# Altium PCB DCAR_Motors_Relays.PcbDoc (part 2 of 4)
Units mm, origin at the board's own origin, x right, y up, seen from the top; angles counter-clockwise.
Board outline 250 x 200 mm, 2 copper layers (Top Layer, Bottom Layer), stack 1.58 mm thick; 518 components, 309 nets, 1482 pads, 776 vias.
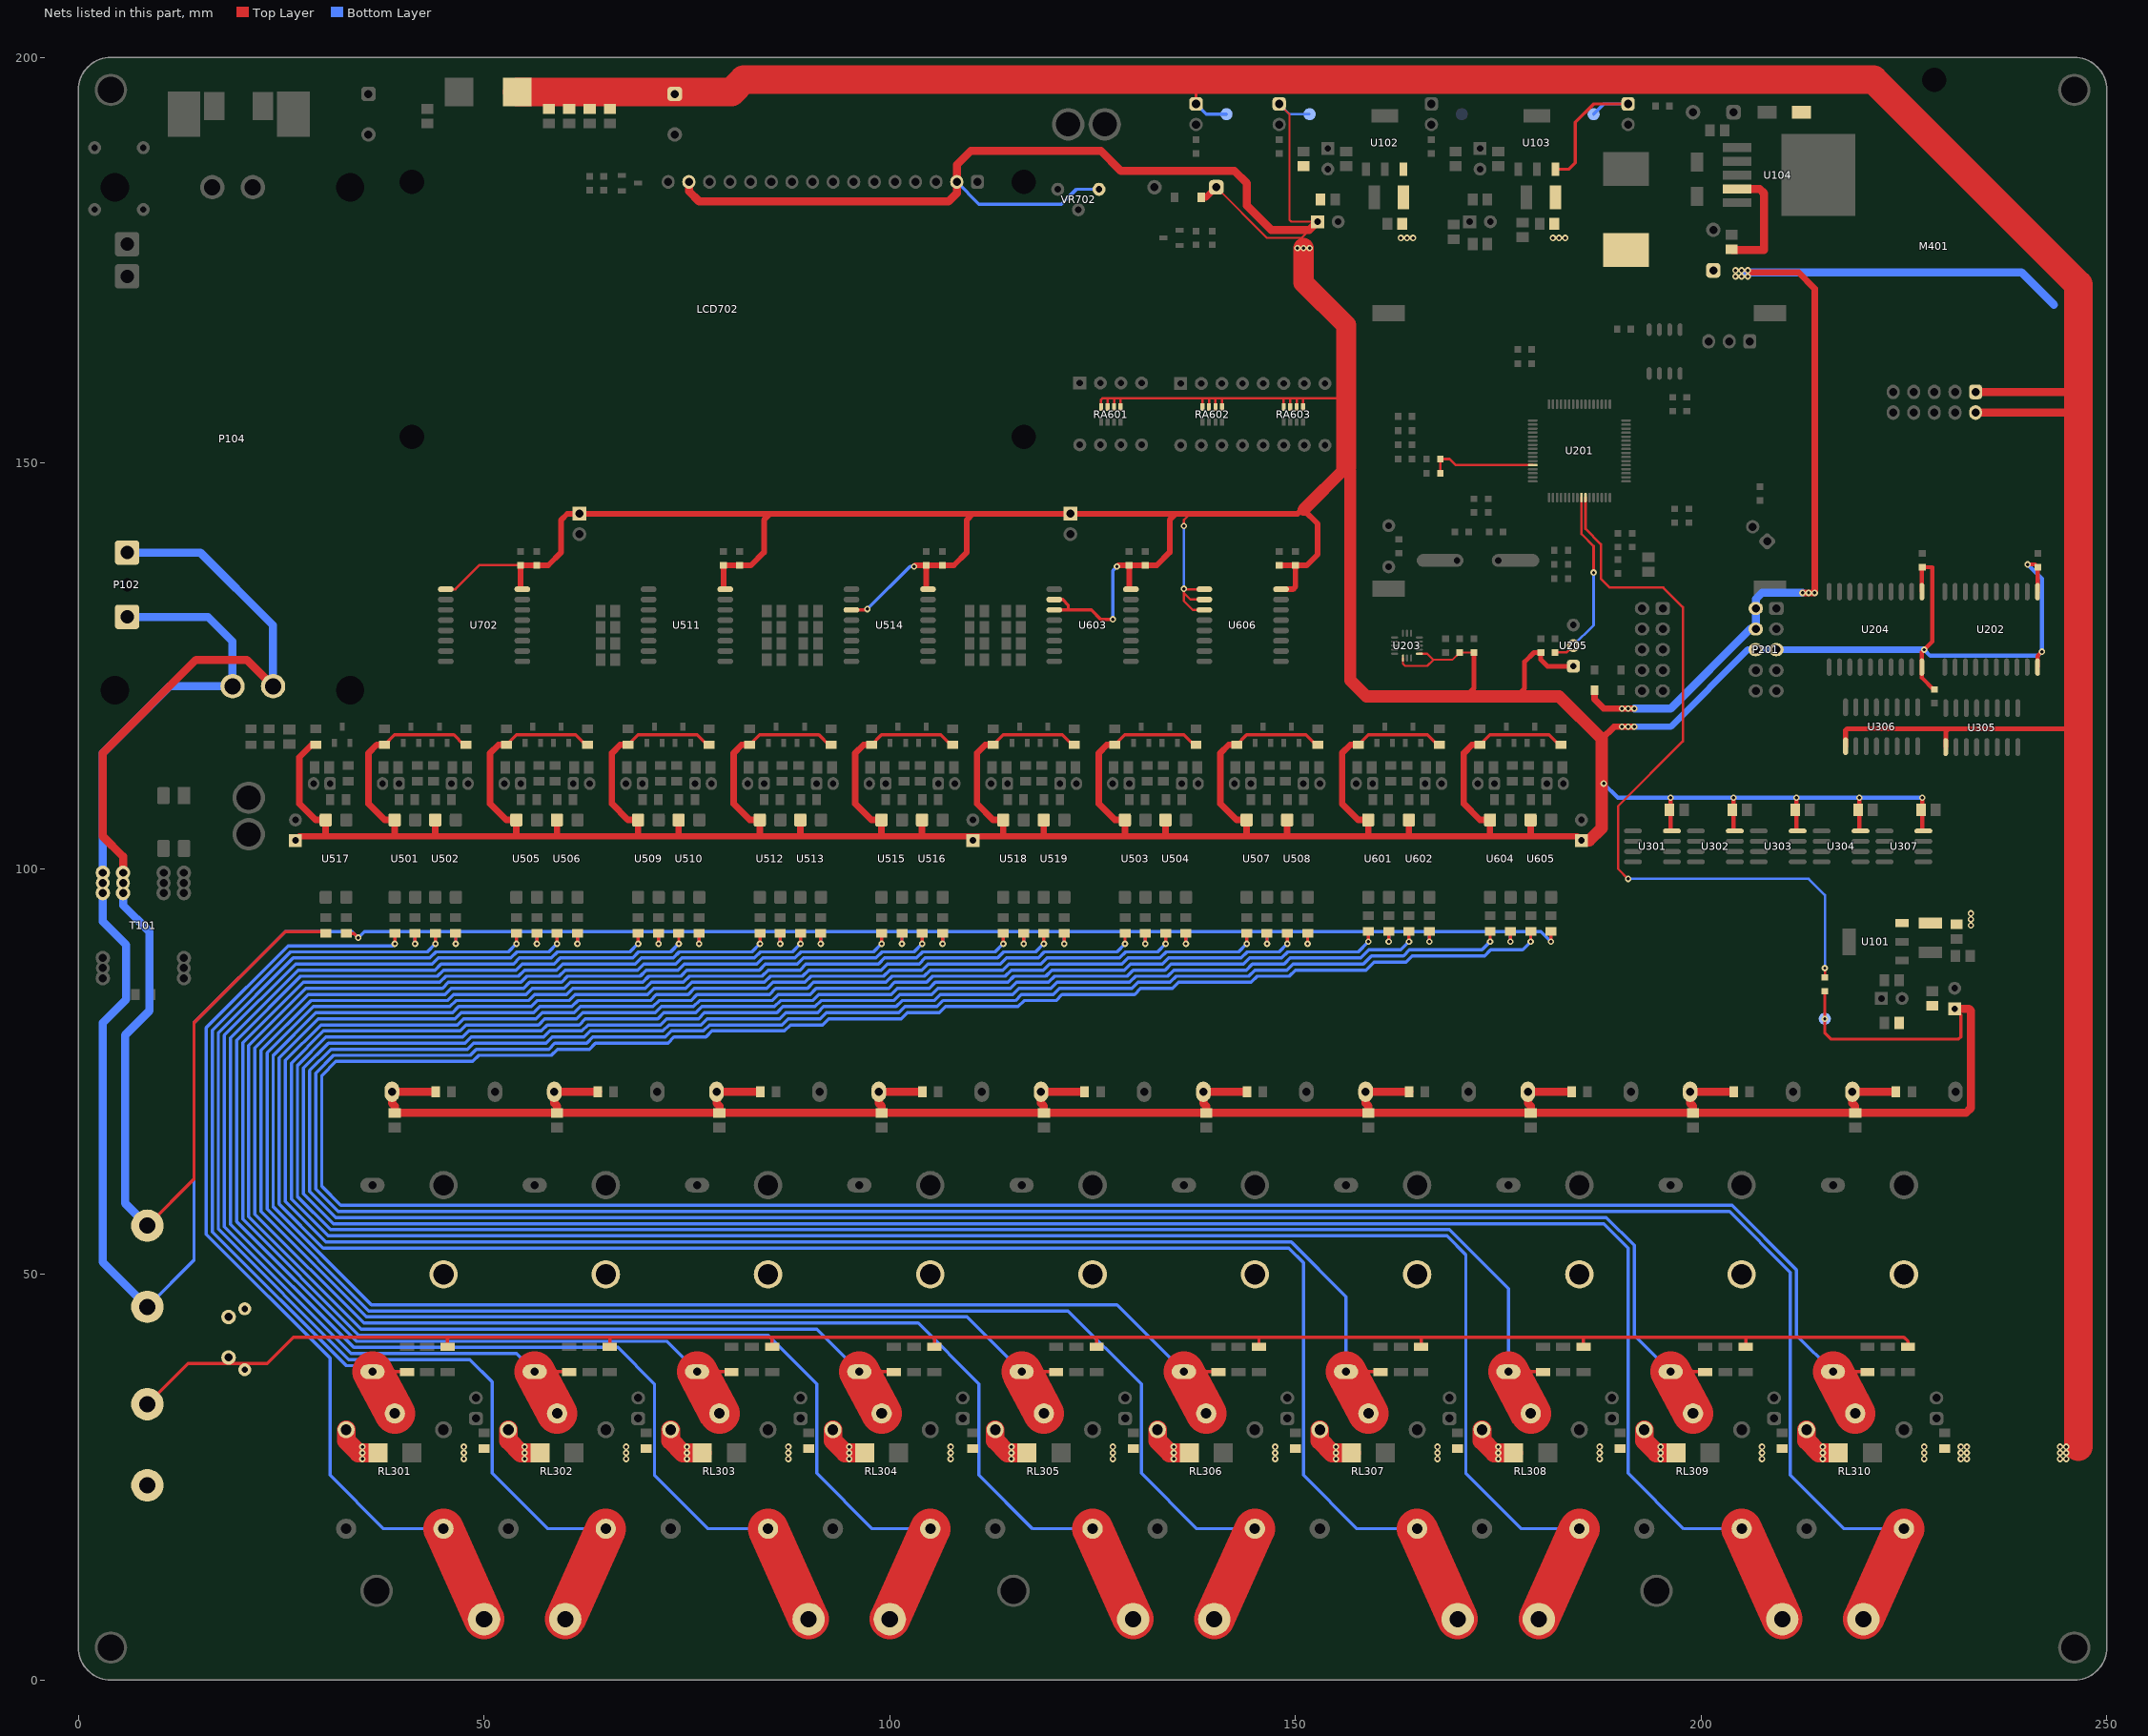
[diagram p2: the nets of this part, all layers, seen from the top]

## Part data
C101 C106 C107 C301 C302 C303 C304 C305 C306 C307 C308 C309 C310: library part "Capacitor NP", "Capacitor non-pol"
C102 C109 C111 C113 C115 C116 C119 C121 C122 C123 C201 C202 C203 C204 C205 C206 C209 C210 C211 C212 C215 C216 C217 C219 C220 C222 C223 C226 C227 C527 C533 C603 C611 C702: library part "Capacitor NP", "CAP CER 0.1UF 50V X7R 0603"
C103 C104 C124 C126 C539 C540 C541 C542 C543 C544 C545 C546 C547 C548 C549 C550 C551 C552 C553 C554 C555 C613 C614 C615 C616: library part Capacitor, "Capacitor pol"
C105 C125 C132 C134 C135 C136 C311 C312 C313 C314 C315 C501 C502 C503 C504 C505 C506 C507 C508 C509 C510 C511 C512 C513 C514 C515 C516 C517 C518 C519 C520 C521 C522 C523 C524 C525 C526 C529 C530 C531 C532 C535 C536 C537 C538 C601 C602 C605 C606 C607 C608 C609 C610: library part "Capacitor NP", "CAP CER 0.1UF 50V X7R 0805"
C108 C114 C120: library part "Capacitor NP", "CAP CER 22UF 50V X7R 1210"
C110 C112 C117 C118 C128 C129 C556 C557 C558 C559 C560: library part Capacitor, "CAP TANT 100UF 20% 16V 2917"
C218 C528 C534 C604 C612 C703: library part "Capacitor NP", "CAP CER 4.7UF 50V X7R 0603"
C224 C225: library part "Capacitor NP", "CAP CER 9pF 50V X7R 0603"
D101: library part "Diode Schottky", "DIODE SCHOTTKY 40V 3A SUB SMA"
D102 D104 D105 D107 D202: library part Led, "LED RED CLEAR 0603 SMD"
D103 D106 D203 D204: library part Diode, "Default Diode"
D108: "Diode bridge"
D201: library part Diode, "0.5A 20V SMD Schottky Rectifier Diode"
D301 D303 D305 D307 D309 D311 D313 D315 D317 D319: "LED RED CLEAR 0805 SMD"
D302 D304 D306 D308 D310 D312 D314 D316 D318 D320: library part Diode, "DIODE SCHOTTKY 40V 1A SMA"
L101: library part Inductor, "FIXED IND 2.2UH 3A 105 MOHM SMD"
L102 L103 L107: library part Inductor
L104 L105 L106 L201 L202 L203: library part Inductor, "Inductor"
LCD702: "Character LCD 16x2"
P101 P103 P301 P302 P303 P304 P305 P306: "Header, 2-Pin"
P102: "Header, 3-Pin"
P104: library part "AC-DC 12V3A", "AC-DC 12V3A"
P201 P202: "Header, 5-Pin, Dual row"
P203: library part "Header 3", "Header, 3-Pin"
Q201 Q702: library part "Transistor NPN", "TRANS NPN 40V 0.2A SMD SOT23-3"
Q501 Q502 Q503 Q504 Q505 Q506 Q507 Q508 Q509 Q510 Q511 Q512 Q513 Q514 Q515 Q516 Q517 Q601 Q602 Q603 Q604: library part "Transistor NPN", "TRANS NPN 40V 0.2A SOT23"
R101 R103 R105 R107 R210 R211 R212 R213 R214: library part Resistor, "RES SMD 4.7K OHM 1% 1/10W 0603"
R102 R106 R206: library part Resistor, "RES SMD 330 OHM 1% 1/10W 0603"
R104: library part Resistor, "RES SMD 1K OHM 1% 1/10W 0603"
R201 R202 R203 R204 R205 R207 R208 R209 R702 R703: library part Resistor, "RES SMD 10K OHM 1% 1/10W 0603"
R215: library part Resistor, "RES SMD ? OHM 1% 1/10W 0603"
R301 R303 R305 R307 R309 R311 R313 R315 R317 R319: library part Resistor, "RES SMD 4.7K OHM 1% 1/10W 0805"
R302 R304 R306 R308 R310 R312 R314 R316 R318 R320: library part Resistor, "RES SMD 680 OHM 1% 1/10W 0805"
R321 R322 R323 R324 R325 R326 R327 R328 R329 R330 R331 R332 R333 R334 R335 R336 R337 R338 R339 R340 R341 R342 R343 R344 R345 R346 R347 R348 R349 R350: library part Resistor, "Resistor"
R501 R502 R503 R504 R509 R510 R511 R512 R517 R518 R519 R520 R525 R526 R527 R528 R533 R534 R537 R538 R541 R542 R545 R546 R549 R550 R553 R554 R557 R559 R560 R561 R564 R565 R601 R602 R605 R606 R609 R610 R613 R614: library part Resistor, "RES SMD 220K OHM 1% 1/8W 0805"
R505 R506 R507 R508 R513 R514 R515 R516 R521 R522 R523 R524 R529 R530 R531 R532 R535 R536 R539 R540 R543 R544 R547 R548 R551 R552 R555 R556 R558 R562 R563 R566 R567 R568 R569 R570 R571 R572 R573 R574 R575 R576 R577 R578 R579 R580 R581 R582 R583 R584 R585 R603 R604 R607 R608 R611 R612 R615 R616 R617 R618 R619 R620: library part Resistor, "RES SMD 10K OHM 1% 1/8W 0805"
RA601 RA602 RA603: library part "Resistor Array x4"
RL301 RL302 RL303 RL304 RL305 RL306 RL307 RL308 RL309 RL310: library part "Relay SPDT", "RELAY GEN PURPOSE SPDT 10A 12V"
S301 S302 S303 S304 S305 S306 S307 S308 S309 S310: library part TA12, "CURR SENSE 1:2000 5A T/H"
SW201: library part "SW SPST", "Tact switch 2 pin"
T101: library part "Trans 6-PIN", "Transformer 6-PIN"
U101 U102 U103: library part AMS1117, "IC REG LINEAR 1.8V 800MA SOT223"
U104: "IC REG BUCK 5V 3A TO263-5"
U201: library part STM32F103RBT6, "Mainstream Performance line, ARM Cortex-M3 MCU with 128 Kbytes Flash, 72 MHz CPU, motor control, USB and CAN"
U202 U204: "IC TRANSCVR NON-INVERT 6V 20SO"
U203: "Freescale's 3-axis digital accelerometer"
U205: "SENSOR ANALOG 0C-100C TO92-3"
U206: "IC EEPROM 256K SPI 10MHZ 8SOIC"
U301 U302 U303 U304 U307: "Low Power Dual Operational Amplifiers"
U305 U306: library part ULN2003, "IC PWR RELAY 7NPN 1:1 16SOIC"
U511 U514 U603 U606 U702: "Remote 8-bit I/O expander for I2C-bus with interrupt"
VR702: library part "Resistor Variable", "Resistor Variable"
Y201 Y202: library part Crystal

## Via types
v1: diameter 0.8, hole 0.4, Top Layer to Bottom Layer, tented both sides, 720 vias
v2: diameter 0.66, hole 0.33, Top Layer to Bottom Layer, tented both sides, 56 vias

## Nets (pads, with @x,y where several pads share a name; then routed paths per layer and width w, separated by ;. In a path a pad name is that pad's centre, name@x,y a point inside that pad or via, vN(x,y) a via of type N, cw(c..) or ccw(c..) an arc to the next point about the centre after c; other vN are vias at no path point)
1V8: 1V8.1 C111.1 C112.1 C301.1 C302.1 C303.1 C304.1 C305.1 C306.1 C307.1 C308.1 C309.1 C310.1 L102.2 R201.1 R302.2 R304.2 R306.2 R308.2 R310.2 R312.2 R314.2 R316.2 R318.2 R320.2 S301.1 S302.1 S303.1 S304.1 S305.1 S306.1 S307.1 S308.1 S309.1 S310.1 | length 315.9
  Top Layer w0.4: R201.1@215.25,84.9 v1(215.25,81.5) 215.25,79.75 216,79 231.75,79 232,79.25 232,81.98 C112.1@231.25,82.73
  Top Layer w1: R302.2@44.025,72.5 S301.1@38.65,72.5 38.65,71.1 39,70.75 C306.1@39,69.9 C307.1@59,69.9 ; R304.2@64.025,72.5 S302.1@58.65,72.5 58.65,71.1 59,70.75 C307.1@59,69.9 ; R306.2@84.025,72.5 S303.1@78.65,72.5 78.65,71.1 79,70.75 C308.1@79,69.9 ; R308.2@104.025,72.5 S304.1@98.65,72.5 98.65,71.1 99,70.75 C309.1@99,69.9 ; R310.2@124.025,72.5 S305.1@118.65,72.5 118.65,71.1 119,70.75 C310.1@119,69.9 ; R312.2@144.025,72.5 S306.1@138.65,72.5 138.65,71.1 139,70.75 C301.1@139,69.9 ; R314.2@164.025,72.5 S307.1@158.65,72.5 158.65,71.1 159,70.75 C302.1@159,69.9 ; R316.2@184.025,72.5 S308.1@178.65,72.5 178.65,71.1 179,70.75 C303.1@179,69.9 ; R318.2@204.025,72.5 S309.1@198.65,72.5 198.65,71.1 199,70.75 C304.1@199,69.9 ; R320.2@224.025,72.5 S310.1@218.65,72.5 218.65,71.1 219,70.75 C305.1@219,69.9 ; C112.1@231.25,82.73 233.02,82.73 233.25,82.5 233.25,70.5 232.65,69.9 C305.1@219,69.9 ; C307.1@59,69.9 C308.1@79,69.9 ; C308.1@79,69.9 C309.1@99,69.9 ; C309.1@99,69.9 C310.1@119,69.9 ; C310.1@119,69.9 C301.1@139,69.9 ; C301.1@139,69.9 C302.1@159,69.9 ; C302.1@159,69.9 C303.1@179,69.9 ; C303.1@179,69.9 C304.1@199,69.9 ; C304.1@199,69.9 C305.1@219,69.9
3V3_EXT: 3V3.1 BZ201.1 C113.1 C118.1 C216.1 C217.1 C218.1 C220.1 C223.1 C311.1 C312.1 C313.1 C314.1 C315.1 C527.1 C528.1 C533.1 C534.1 C556.1 C557.1 C558.1 C559.1 C560.1 C603.1 C604.1 C611.1 C612.1 C702.1 C703.1 D107.1 D201.2 L107.2 LCD702.2 LCD702.15 P201.5 P201.6 R209.1 R505.2 R506.2 R507.2 R508.2 R521.2 R522.2 R523.2 R524.2 R535.2 R536.2 R543.2 R544.2 R551.2 R552.2 R558.2 R562.2 R563.2 R603.2 R604.2 R611.2 R612.2 RA601.5 RA601.6 RA601.7 RA601.8 RA602.5 RA602.6 RA602.7 RA602.8 RA603.5 RA603.6 RA603.7 RA603.8 U202.1 U202.20 U203.1 U203.14 U204.1 U204.20 U205.1 U301.8 U302.8 U303.8 U304.8 U307.8 U501.4 U502.4 U503.4 U504.4 U505.4 U506.4 U507.4 U508.4 U509.4 U510.4 U511.16 U512.4 U513.4 U514.3 U514.16 U515.4 U516.4 U517.4 U518.4 U519.4 U601.4 U602.4 U603.2 U603.3 U603.16 U604.4 U605.4 U606.1 U606.2 U606.3 U606.16 U702.1 U702.16 VR702.1 | length 1161.1
  Top Layer w0.25: BZ201.1@140.25,184 146.5,177.75 150.73,177.75 151.73,178.75 ; D107.1@148,194.27 149.25,193.02 149.25,180 149.5,179.75 C118.1@152.73,179.75 C118.1@152.5,179.52 ; U203.14@163.25,125.975 163.25,125.25 163.5,125 166.25,125 167,125.75 ; U203.1@165.275,126.5 166.25,126.5 167,125.75 ; C218.1@172,126.65 C217.1@170.25,126.65 169.35,125.75 167,125.75
  Top Layer w0.3: U702.1@45.275,134.445 46.445,134.445 49.4,137.4 C702.1@54.5,137.4 ; RA601.8@126.05,156.9 126.05,157.8 126.25,158 151,158 ; RA601.7@126.85,156.9 126.85,157.95 ; RA601.6@127.65,156.9 127.65,157.95 ; RA601.5@128.45,156.9 128.45,157.95 ; v1(136.25,142.25) 136.25,143 137,143.75 ; RA602.8@138.55,156.9 138.55,157.95 ; U606.3@138.775,131.905 137.345,131.905 136.25,133 136.25,134 ; U606.2@138.775,133.175 137.075,133.175 136.25,134 ; U606.1@138.775,134.445 136.305,134.445 v1(136.25,134.5) 136.25,134 ; RA602.7@139.35,156.9 139.35,157.95 ; RA602.6@140.15,156.9 140.15,157.95 ; RA602.5@140.95,156.9 140.95,157.95 ; RA603.8@148.55,156.9 148.55,157.95 ; RA603.7@149.35,156.9 149.35,157.95 ; RA603.6@150.15,156.9 150.15,157.95 ; RA603.5@150.95,156.9 150.95,157.95 151,158 ; 156.25,158.25 156,158 151,158
  Top Layer w0.4: R505.2@37.75,115.275 38.975,116.5 46.275,116.5 R506.2@47.5,115.275 ; R521.2@52.75,115.275 53.975,116.5 61.275,116.5 R522.2@62.5,115.275 ; R535.2@67.75,115.275 68.975,116.5 76.275,116.5 R536.2@77.5,115.275 ; R543.2@82.75,115.275 83.975,116.5 91.275,116.5 R544.2@92.5,115.275 ; U514.3@95.275,131.905 97.155,131.905 v1(97.25,132) ; R551.2@97.75,115.275 98.975,116.5 106.275,116.5 R552.2@107.5,115.275 ; R562.2@112.75,115.275 113.975,116.5 121.275,116.5 R563.2@122.5,115.275 ; U603.3@120.275,131.905 121.905,131.905 ; U603.2@120.275,133.175 121.325,133.175 122,132.5 122,132 121.905,131.905 ; v1(127.5,130.75) 126,130.75 124.845,131.905 121.905,131.905 ; R507.2@127.75,115.275 128.975,116.5 136.275,116.5 R508.2@137.5,115.275 ; R523.2@142.75,115.275 143.975,116.5 151.275,116.5 R524.2@152.5,115.275 ; R603.2@157.75,115.275 158.975,116.5 166.275,116.5 R604.2@167.5,115.275 ; R611.2@172.75,115.275 173.975,116.5 181.275,116.5 R612.2@182.5,115.275
  Top Layer w0.5: v1(196.25,108.75) 196.25,104.805 U301.8@196.4,104.655 ; v1(204,108.75) 204,104.805 U302.8@204.15,104.655 ; v1(211.75,108.75) 211.75,104.805 U303.8@211.9,104.655 ; v1(219.5,108.75) 219.5,104.805 U304.8@219.65,104.655 ; U204.1@227.215,134.15 227.215,137.115 C216.1@227.25,137.15 228.5,137.15 228.5,128 v1(227.5,127) 227.215,126.715 U204.20@227.215,124.85 227.215,123.535 228.65,122.1 R209.1@228.75,122.1 ; v1(227.25,108.75) 227.25,104.805 U307.8@227.4,104.655 ; v1(240.25,137.5) 241.15,137.5 C220.1@241.5,137.15 241.465,137.115 U202.1@241.465,134.15 ; U202.20@241.465,124.85 241.465,126.215 v1(242,126.75)
  Top Layer w0.6: 171,121.25 172,122.25 C218.1@172,126.65 ; 177.25,121.25 178.25,122.25 178.25,125.5 179.4,126.65 C223.1@180.25,126.65 180.25,125.75 181.04,124.96 U205.1@184.25,124.96
  Top Layer w0.7: C702.1@54.5,137.25 54.5,134.67 U702.16@54.725,134.445 ; C702.1@54.5,137.4 C703.1@56.5,137.4 57.9,137.4 59.5,139 59.5,143 60.25,143.75 85.25,143.75 ; C528.1@79.5,137.25 79.5,134.67 U511.16@79.725,134.445 ; C528.1@79.5,137.4 C527.1@81.5,137.4 82.9,137.4 84.5,139 84.5,143 85.25,143.75 ; v1(103,137.25) 103.15,137.4 C534.1@104.5,137.4 C533.1@106.5,137.4 107.9,137.4 109.5,139 109.5,143 110.25,143.75 ; C534.1@104.5,137.25 104.5,134.67 U514.16@104.725,134.445 ; v1(128,137.25) 128.15,137.4 C604.1@129.5,137.4 C603.1@131.5,137.4 132.9,137.4 134.5,139 134.5,143 135.25,143.75 ; C604.1@129.5,137.25 129.5,134.67 U603.16@129.725,134.445 ; C612.1@148,137.4 C611.1@150,137.4 ; U606.16@148.225,134.445 149.695,134.445 150,134.75 C611.1@150,137.4 ; 150.75,144.25 150.25,143.75 137,143.75 135.25,143.75 ; 151,144.25 152.75,142.5 152.75,138.75 151.4,137.4 C611.1@150,137.4 ; 85.25,143.75 110.25,143.75 ; 110.25,143.75 135.25,143.75
  Top Layer w0.8: C558.1@26.75,103.48 27.27,104 30.48,104 ; R558.2@29.25,115.275 28.775,115.275 27.25,113.75 27.25,108 29.238,106.013 U517.4@30.48,106.013 30.48,104 ; R505.2@37.75,115.275 36.775,115.275 35.75,114.25 35.75,108 37.738,106.012 U501.4@38.98,106.012 38.98,104 ; U502.4@43.98,106.012 43.98,104 ; R521.2@52.75,115.275 51.775,115.275 50.75,114.25 50.75,108 52.738,106.012 U505.4@53.98,106.013 53.98,104 ; U506.4@58.98,106.013 58.98,104 ; R535.2@67.75,115.275 66.775,115.275 65.75,114.25 65.75,108 67.738,106.012 U509.4@68.98,106.012 68.98,104 ; 73.98,104 U510.4@73.98,106.012 ; R543.2@82.75,115.275 81.775,115.275 80.75,114.25 80.75,108 82.738,106.012 U512.4@83.98,106.012 83.98,104 ; 88.98,104 U513.4@88.98,106.012 ; R551.2@97.75,115.275 96.775,115.275 95.75,114.25 95.75,108 97.738,106.012 U515.4@98.98,106.012 98.98,104 ; U516.4@103.98,106.012 103.98,104 ; R562.2@112.75,115.275 111.775,115.275 110.75,114.25 110.75,108 112.738,106.012 U518.4@113.98,106.012 113.98,104 ; U519.4@118.98,106.012 118.98,104 ; R507.2@127.75,115.275 126.775,115.275 125.75,114.25 125.75,108 127.738,106.012 U503.4@128.98,106.012 128.98,104 ; U504.4@133.98,106.012 133.98,104 ; D201.2@138.39,182.75 139,182.75 BZ201.1@140.25,184 ; R523.2@142.75,115.275 141.775,115.275 140.75,114.25 140.75,108 142.738,106.012 U507.4@143.98,106.012 143.98,104 ; U508.4@148.98,106.012 148.98,104 ; R603.2@157.75,115.275 156.775,115.275 155.75,114.25 155.75,108 157.738,106.012 U601.4@158.98,106.013 158.98,104 ; U602.4@163.98,106.013 163.98,104 ; R611.2@172.75,115.275 171.775,115.275 170.75,114.25 170.75,108 172.738,106.012 U604.4@173.98,106.013 173.98,104 ; U605.4@178.98,106.013 178.98,104 ; C556.1@185.25,103.48 184.73,104 178.98,104 ; 187.75,116 189.25,117.5 v1(190.25,117.5) v1(191,117.5) v1(191.75,117.5) ; 30.48,104 38.98,104 ; 38.98,104 43.98,104 ; 43.98,104 53.98,104 ; 53.98,104 58.98,104 ; 58.98,104 68.98,104 ; 68.98,104 83.98,104 ; 83.98,104 98.98,104 ; 98.98,104 103.98,104 ; 103.98,104 113.98,104 ; 113.98,104 118.98,104 ; 118.98,104 128.98,104 ; 128.98,104 133.98,104 ; 133.98,104 143.98,104 ; 143.98,104 148.98,104 ; 148.98,104 158.98,104 ; 158.98,104 163.98,104 ; 163.98,104 173.98,104 ; 173.98,104 178.98,104
  Top Layer w1: LCD702.15@75.24,184.65 75.24,183.51 76.5,182.25 107.25,182.25 108.26,183.26 LCD702.2@108.26,184.65 108.26,186.76 110,188.5 126,188.5 128.5,186 142.5,186 144,184.5 144,181.75 147,178.75 151.73,178.75 C118.1@152.5,179.52
  Top Layer w1.5: 151,144.25 156.25,149.5 ; 156.75,149 156.75,123.25 158.75,121.25 171,121.25 177.25,121.25 182.5,121.25 187.75,116 187.75,105 186.23,103.48 C556.1@185.25,103.48
  Top Layer w2.5: v1(151,176.5) 151,172.25 156.25,167 156.25,158.25 156.25,149.5
  Bottom Layer w0.25: D107.1@148,194.27 149.27,193 3V3.1@151.75,193
  Bottom Layer w0.3: v1(136.25,134.5) v1(136.25,142.25)
  Bottom Layer w0.4: v1(97.25,132) 102.5,137.25 v1(103,137.25) ; LCD702.2@108.26,184.65 111,181.91 121.16,181.91 123,183.75 VR702.1@125.79,183.75 ; v1(127.5,130.75) 127.5,136.75 v1(128,137.25)
  Bottom Layer w0.5: v1(188,110.5) 189.75,108.75 v1(196.25,108.75) v1(204,108.75) v1(211.75,108.75) v1(219.5,108.75) v1(227.25,108.75) ; v1(227.5,127) 228.249,126.25 241.5,126.25 v1(242,126.75) 242,135.75 v1(240.25,137.5)
  Bottom Layer w0.8: v1(191.75,117.5) 196.25,117.5 205.75,127 P201.6@206.73,127 P201.5@209.27,127 218,127 v1(227.5,127)
  other v1: 150.25,176.5 151.75,176.5
5V: 5V.1 C108.1 C109.1 C114.1 C115.1 C120.1 C121.1 C126.1 C132.1 D104.1 D204.2 L104.2 P201.2 P201.4 U101.3 U102.3 U103.3 U104.4 | length 157.5
  Top Layer w0.4: U103.3@182.05,186.225 183.725,186.225 184.5,187 184.5,192 186.77,194.27 D104.1@191,194.27
  Top Layer w0.8: D204.2@186.86,122 186.86,120.89 188,119.75 v1(190.25,119.75) v1(191,119.75) v1(191.75,119.75) ; v1(205.75,173.75) 206,173.5 212,173.5 214,171.5 v1(214,134) v1(213.25,134) v1(212.5,134)
  Top Layer w1: C132.1@203.85,176.25 207.75,176.25 207.75,183.25 207.2,183.8 U104.4@204.45,183.8
  Bottom Layer w0.4: 5V.1@186.75,193 188.02,194.27 D104.1@191,194.27
  Bottom Layer w1: v1(191.75,119.75) 196.25,119.75 206.04,129.54 P201.4@206.73,129.54 P201.2@206.73,132.08 206.73,133.23 207.5,134 v1(212.5,134) ; v1@205.5,173.5 239.5,173.5 243.5,169.5
  other v1: 233.25,93 233.25,93.75 233.25,94.5 204.25,173 205,173 205.75,173 204.25,173.75 205,173.75 163,177.75 163.75,177.75 164.5,177.75 181.75,177.75 182.5,177.75 183.25,177.75
12V: 12V.1 C102.1 C103.1 C134.1 C135.1 C136.1 D101.2 D102.1 D103.1 D302.2 D304.2 D306.2 D308.2 D310.2 D312.2 D314.2 D316.2 D318.2 D320.2 M401.1 M401.2 R301.1 R303.1 R305.1 R307.1 R309.1 R311.1 R313.1 R315.1 R317.1 R319.1 RL301.5 RL302.5 RL303.5 RL304.5 RL305.5 RL306.5 RL307.5 RL308.5 RL309.5 RL310.5 U305.9 U306.9 | length 471
  Top Layer w0.4: D102.1@137.75,194.27 137.75,197 138,197.25
  Top Layer w0.6: U306.9@217.805,115.1 217.805,117.055 218,117.25 230.5,117.25 ; U305.9@230.15,115 230.15,116.9 230.5,117.25 ; 246.5,117.25 230.5,117.25
  Top Layer w1: M401.2@233.83,156.23 246.48,156.23 246.5,156.25 ; M401.1@233.83,158.77 246.48,158.77 246.5,158.75
  Top Layer w2.3: RL301.5@33,30.85 33,29.5 34.5,28 D302.2@36.9,28 ; RL302.5@53,30.85 53,29.5 54.5,28 D304.2@56.9,28 ; RL303.5@73,30.85 73,29.5 74.5,28 D306.2@76.9,28 ; RL304.5@93,30.85 93,29.5 94.5,28 D308.2@96.9,28 ; RL305.5@113,30.85 113,29.5 114.5,28 D310.2@116.9,28 ; RL306.5@133,30.85 133,29.5 134.5,28 D312.2@136.9,28 ; RL307.5@153,30.85 153,29.5 154.5,28 D314.2@156.9,28 ; RL308.5@173,30.85 173,29.5 174.5,28 D316.2@176.9,28 ; RL309.5@193,30.85 193,29.5 194.5,28 D318.2@196.9,28 ; RL310.5@213,30.85 213,29.5 214.5,28 D320.2@216.9,28
  Top Layer w3.5: D101.2@54.1,195.75 80.5,195.75 82,197.25 138,197.25 221.25,197.25 246.5,172 246.5,158.75 246.5,156.25 246.5,117.5 ; 246.5,28.75 246.5,117.25
  Bottom Layer w0.4: D102.1@137.75,194.27 139.02,193 12V.1@141.5,193
  other v1: 35,27.25 47.5,27.25 55,27.25 67.5,27.25 75,27.25 87.5,27.25 95,27.25 107.5,27.25 115,27.25 127.5,27.25 135,27.25 147.5,27.25 155,27.25 167.5,27.25 175,27.25 187.5,27.25 195,27.25 207.5,27.25 215,27.25 227.5,27.25 232,27.25 232.75,27.25 244.25,27.25 245,27.25 35,28 47.5,28 55,28 67.5,28 75,28 87.5,28 95,28 107.5,28 115,28 127.5,28 135,28 147.5,28 155,28 167.5,28 175,28 187.5,28 195,28 207.5,28 215,28 227.5,28 232,28 232.75,28 244.25,28 245,28 35,28.75 47.5,28.75 55,28.75 67.5,28.75 75,28.75 87.5,28.75 95,28.75 107.5,28.75 115,28.75 127.5,28.75 135,28.75 147.5,28.75 155,28.75 167.5,28.75 175,28.75 187.5,28.75 195,28.75 207.5,28.75 215,28.75 227.5,28.75 232,28.75 232.75,28.75 244.25,28.75 245,28.75
ACL: C101.1 J301.2 J302.2 J303.2 J304.2 J305.2 J306.2 J307.2 J308.2 J309.2 J310.2 P101.2 P102.1 P104.1 R557.1 T101.2 VR101.2 | length 166.5
  Top Layer w0.4: P101.2@8.5,56 14.25,61.75 14.25,81 25.5,92.25 30.275,92.25 R557.1@30.5,92.025
  Top Layer w1: T101.2@5.5,99.5 5.5,101.5 3,104 3,114.25 14.5,125.75 20.75,125.75 P104.1@24,122.5
  Bottom Layer w1: T101.2@5.5,98.25 T101.2@5.5,97 5.5,95.5 8.75,92.25 8.75,82.5 5.75,79.5 5.75,58.75 P101.2@8.5,56 ; P102.1@6,138.96 15.04,138.96 24,130 P104.1@24,122.5
ACL10: P302.2 R501.1 RL301.2 | length 119.2
  Top Layer w0.4: v1(39,90.75) R501.1@39,92.025
  Top Layer w5: RL301.2@45,18.65 P302.2@50,7.5
  Bottom Layer w0.4: v1(39,90.75) 38.75,90.5 25.848,90.5 15.75,80.402 15.75,54.939 31,39.689 31,25.25 37.6,18.65 RL301.2@45,18.65
ACL11: P302.1 R517.1 RL302.2 | length 148.6
  Top Layer w0.4: v1(54,90.75) R517.1@54,92.025
  Top Layer w5: P302.1@60,7.5 RL302.2@65,18.65
  Bottom Layer w0.4: v1(54,90.75) 53,89.75 44.061,89.75 43.311,89 26.469,89 17.25,79.781 17.25,55.561 33.311,39.5 48.25,39.5 51,36.75 51,25.5 57.85,18.65 RL302.2@65,18.65
ACL12: P303.2 R533.1 RL303.2 | length 179.9
  Top Layer w0.4: v1(69,90.75) R533.1@69,92.025
  Top Layer w5: RL303.2@85,18.65 P303.2@90,7.5
  Bottom Layer w0.4: v1(69,90.75) 68,89.75 59.061,89.75 58.311,89 54.371,89 53.621,88.25 44.682,88.25 43.932,87.5 27.09,87.5 18.75,79.16 18.75,56.182 33.932,41 66.5,41 71,36.5 71,25.25 77.6,18.65 RL303.2@85,18.65
ACL13: P303.1 R541.1 RL304.2 | length 211
  Top Layer w0.4: v1(84,90.75) R541.1@84,92.025
  Top Layer w5: P303.1@100,7.5 RL304.2@105,18.65
  Bottom Layer w0.4: v1(84,90.75) 83,89.75 74.061,89.75 73.311,89 69.371,89 68.621,88.25 59.682,88.25 58.932,87.5 54.993,87.5 54.243,86.75 45.303,86.75 44.553,86 27.711,86 20.25,78.539 20.25,56.803 34.553,42.5 85,42.5 91,36.5 91,25.5 97.85,18.65 RL304.2@105,18.65
ACL14: P304.2 R549.1 RL305.2 | length 242.5
  Top Layer w0.4: v1(99,90.75) R549.1@99,92.025
  Top Layer w5: RL305.2@125,18.65 P304.2@130,7.5
  Bottom Layer w0.4: v1(99,90.75) 98,89.75 89.061,89.75 88.311,89 84.371,89 83.621,88.25 74.682,88.25 73.932,87.5 69.993,87.5 69.243,86.75 60.303,86.75 59.553,86 55.614,86 54.864,85.25 45.925,85.25 45.175,84.5 28.333,84.5 21.75,77.917 21.75,57.425 35.175,44 103.5,44 111,36.5 111,25.25 117.6,18.65 RL305.2@125,18.65
ACL15: P304.1 R560.1 RL306.2 | length 273.6
  Top Layer w0.4: v1(114,90.75) R560.1@114,92.025
  Top Layer w5: P304.1@140,7.5 RL306.2@145,18.65
  Bottom Layer w0.4: v1(114,90.75) 113,89.75 104.061,89.75 103.311,89 99.371,89 98.621,88.25 89.682,88.25 88.932,87.5 84.993,87.5 84.243,86.75 75.303,86.75 74.553,86 70.614,86 69.864,85.25 60.925,85.25 60.175,84.5 56.235,84.5 55.485,83.75 46.546,83.75 45.796,83 28.954,83 23.25,77.296 23.25,58.046 35.796,45.5 122,45.5 131,36.5 131,25.5 137.85,18.65 RL306.2@145,18.65
ACL16: P305.2 R503.1 RL307.2 | length 313.7
  Top Layer w0.4: v1(129,90.75) R503.1@129,92.025
  Top Layer w5: RL307.2@165,18.65 P305.2@170,7.5
  Bottom Layer w0.4: v1(129,90.75) 128,89.75 119.061,89.75 118.311,89 114.371,89 113.621,88.25 104.682,88.25 103.932,87.5 99.993,87.5 99.243,86.75 90.303,86.75 89.553,86 85.614,86 84.864,85.25 75.925,85.25 75.175,84.5 71.235,84.5 70.485,83.75 61.546,83.75 60.796,83 56.857,83 56.107,82.25 47.167,82.25 46.417,81.5 29.575,81.5 24.75,76.675 24.75,58.667 30.167,53.25 149.189,53.25 151,51.439 151,25.25 157.6,18.65 RL307.2@165,18.65
ACL17: P305.1 R519.1 RL308.2 | length 345.5
  Top Layer w0.4: v1(144,90.75) R519.1@144,92.025
  Top Layer w5: P305.1@180,7.5 RL308.2@185,18.65
  Bottom Layer w0.4: v1(144,90.75) 143,89.75 134.061,89.75 133.311,89 129.371,89 128.621,88.25 119.682,88.25 118.932,87.5 114.993,87.5 114.243,86.75 105.303,86.75 104.553,86 100.614,86 99.864,85.25 90.925,85.25 90.175,84.5 86.235,84.5 85.485,83.75 76.546,83.75 75.796,83 71.857,83 71.107,82.25 62.167,82.25 61.417,81.5 57.478,81.5 56.728,80.75 47.789,80.75 47.039,80 30.197,80 26.25,76.053 26.25,59.289 30.789,54.75 168.689,54.75 171,52.439 171,25.5 177.85,18.65 RL308.2@185,18.65
ACL18: P306.2 R601.1 RL309.2 | length 377.3
  Top Layer w0.4: v1(159,91) R601.1@159,92.275
  Top Layer w5: RL309.2@205,18.65 P306.2@210,7.5
  Bottom Layer w0.4: v1(159,91) 157.75,89.75 149.061,89.75 148.311,89 144.371,89 143.621,88.25 134.682,88.25 133.932,87.5 129.993,87.5 129.243,86.75 120.303,86.75 119.553,86 115.614,86 114.864,85.25 105.925,85.25 105.175,84.5 101.235,84.5 100.485,83.75 91.546,83.75 90.796,83 86.857,83 86.107,82.25 77.167,82.25 76.417,81.5 72.478,81.5 71.728,80.75 62.789,80.75 62.039,80 58.099,80 57.349,79.25 48.41,79.25 47.66,78.5 30.818,78.5 27.75,75.432 27.75,59.91 31.41,56.25 188,56.25 191,53.25 191,25.5 197.85,18.65 RL309.2@205,18.65
ACL19: P306.1 R609.1 RL310.2 | length 407
  Top Layer w0.4: v1(174,91) R609.1@174,92.275
  Top Layer w5: P306.1@220,7.5 RL310.2@225,18.65
  Bottom Layer w0.4: v1(174,91) 173,90 164.061,90 163.311,89.25 159.371,89.25 158.371,88.25 149.682,88.25 148.932,87.5 144.993,87.5 144.243,86.75 135.303,86.75 134.553,86 130.614,86 129.864,85.25 120.925,85.25 120.175,84.5 116.235,84.5 115.485,83.75 106.546,83.75 105.796,83 101.857,83 101.107,82.25 92.167,82.25 91.417,81.5 87.478,81.5 86.728,80.75 77.789,80.75 77.039,80 73.099,80 72.349,79.25 63.41,79.25 62.66,78.5 58.721,78.5 57.971,77.75 49.031,77.75 48.281,77 31.439,77 29.25,74.811 29.25,60.531 32.031,57.75 203.5,57.75 211,50.25 211,25.25 217.6,18.65 RL310.2@225,18.65
ACL20: F301.1 R321.1 R502.1 RL301.4 | length 95
  Top Layer w0.4: F301.1@36.25,38 40.45,38 R321.1@40.5,37.95 ; v1(44,90.75) R502.1@44,92.025
  Top Layer w5: F301.1@36.25,38 RL301.4@39,32.85
  Bottom Layer w0.4: F301.1@36.25,38 35.5,38.75 33,38.75 16.5,55.25 16.5,80.092 26.158,89.75 43,89.75 v1(44,90.75)
ACL21: F302.1 R324.1 R518.1 RL302.4 | length 126.3
  Top Layer w0.4: F302.1@56.25,38 60.45,38 R324.1@60.5,37.95 ; v1(59,90.75) R518.1@59,92.025
  Top Layer w5: F302.1@56.25,38 RL302.4@59,32.85
  Bottom Layer w0.4: F302.1@56.25,38 54,40.25 33.621,40.25 18,55.871 18,79.471 26.78,88.25 43.621,88.25 44.371,89 53.311,89 54.061,89.75 58,89.75 v1(59,90.75)
ACL22: F303.1 R327.1 R534.1 RL303.4 | length 157.6
  Top Layer w0.4: v1(74,90.75) R534.1@74,92.025 ; F303.1@76.25,38 80.45,38 R327.1@80.5,37.95
  Top Layer w5: F303.1@76.25,38 RL303.4@79,32.85
  Bottom Layer w0.4: v1(74,90.75) 73,89.75 69.061,89.75 68.311,89 59.371,89 58.621,88.25 54.682,88.25 53.932,87.5 44.993,87.5 44.243,86.75 27.401,86.75 19.5,78.849 19.5,56.493 34.243,41.75 72.5,41.75 F303.1@76.25,38
ACL23: F304.1 R330.1 R542.1 RL304.4 | length 188.9
  Top Layer w0.4: v1(89,90.75) R542.1@89,92.025 ; F304.1@96.25,38 100.45,38 R330.1@100.5,37.95
  Top Layer w5: F304.1@96.25,38 RL304.4@99,32.85
  Bottom Layer w0.4: v1(89,90.75) 88,89.75 84.061,89.75 83.311,89 74.371,89 73.621,88.25 69.682,88.25 68.932,87.5 59.993,87.5 59.243,86.75 55.303,86.75 54.553,86 45.614,86 44.864,85.25 28.022,85.25 21,78.228 21,57.114 34.864,43.25 91,43.25 F304.1@96.25,38
ACL24: F305.1 R333.1 R550.1 RL305.4 | length 220.1
  Top Layer w0.4: v1(104,90.75) R550.1@104,92.025 ; F305.1@116.25,38 120.45,38 R333.1@120.5,37.95
  Top Layer w5: F305.1@116.25,38 RL305.4@119,32.85
  Bottom Layer w0.4: v1(104,90.75) 103,89.75 99.061,89.75 98.311,89 89.371,89 88.621,88.25 84.682,88.25 83.932,87.5 74.993,87.5 74.243,86.75 70.303,86.75 69.553,86 60.614,86 59.864,85.25 55.925,85.25 55.175,84.5 46.235,84.5 45.485,83.75 28.643,83.75 22.5,77.607 22.5,57.735 35.485,44.75 109.5,44.75 F305.1@116.25,38
ACL25: F306.1 R336.1 R561.1 RL306.4 | length 251.4
  Top Layer w0.4: v1(119,90.75) R561.1@119,92.025 ; F306.1@136.25,38 140.45,38 R336.1@140.5,37.95
  Top Layer w5: F306.1@136.25,38 RL306.4@139,32.85
  Bottom Layer w0.4: v1(119,90.75) 118,89.75 114.061,89.75 113.311,89 104.371,89 103.621,88.25 99.682,88.25 98.932,87.5 89.993,87.5 89.243,86.75 85.303,86.75 84.553,86 75.614,86 74.864,85.25 70.925,85.25 70.175,84.5 61.235,84.5 60.485,83.75 56.546,83.75 55.796,83 46.857,83 46.107,82.25 29.265,82.25 24,76.985 24,58.357 36.107,46.25 128,46.25 F306.1@136.25,38
ACL26: F307.1 R339.1 R504.1 RL307.4 | length 288.1
  Top Layer w0.4: v1(134,90.75) R504.1@134,92.025 ; F307.1@156.25,38 160.45,38 R339.1@160.5,37.95
  Top Layer w5: F307.1@156.25,38 RL307.4@159,32.85
  Bottom Layer w0.4: v1(134,90.75) 133,89.75 129.061,89.75 128.311,89 119.371,89 118.621,88.25 114.682,88.25 113.932,87.5 104.993,87.5 104.243,86.75 100.303,86.75 99.553,86 90.614,86 89.864,85.25 85.925,85.25 85.175,84.5 76.235,84.5 75.485,83.75 71.546,83.75 70.796,83 61.857,83 61.107,82.25 57.167,82.25 56.417,81.5 47.478,81.5 46.728,80.75 29.886,80.75 25.5,76.364 25.5,58.978 30.478,54 149.5,54 156.25,47.25 F307.1@156.25,38
ACL27: F308.1 R342.1 R520.1 RL308.4 | length 319.9
  Top Layer w0.4: v1(149,90.75) R520.1@149,92.025 ; F308.1@176.25,38 180.45,38 R342.1@180.5,37.95
  Top Layer w5: F308.1@176.25,38 RL308.4@179,32.85
  Bottom Layer w0.4: v1(149,90.75) 148,89.75 144.061,89.75 143.311,89 134.371,89 133.621,88.25 129.682,88.25 128.932,87.5 119.993,87.5 119.243,86.75 115.303,86.75 114.553,86 105.614,86 104.864,85.25 100.925,85.25 100.175,84.5 91.235,84.5 90.485,83.75 86.546,83.75 85.796,83 76.857,83 76.107,82.25 72.167,82.25 71.417,81.5 62.478,81.5 61.728,80.75 57.789,80.75 57.039,80 48.099,80 47.349,79.25 30.507,79.25 27,75.743 27,59.599 31.099,55.5 169,55.5 176.25,48.25 F308.1@176.25,38
ACL28: F309.1 R345.1 R602.1 RL309.4 | length 351.8
  Top Layer w0.4: v1(164,91) R602.1@164,92.275 ; F309.1@196.25,38 200.45,38 R345.1@200.5,37.95
  Top Layer w5: F309.1@196.25,38 RL309.4@199,32.85
  Bottom Layer w0.4: v1(164,91) 163,90 159.061,90 158.061,89 149.371,89 148.621,88.25 144.682,88.25 143.932,87.5 134.993,87.5 134.243,86.75 130.303,86.75 129.553,86 120.614,86 119.864,85.25 115.925,85.25 115.175,84.5 106.235,84.5 105.485,83.75 101.546,83.75 100.796,83 91.857,83 91.107,82.25 87.167,82.25 86.417,81.5 77.478,81.5 76.728,80.75 72.789,80.75 72.039,80 63.099,80 62.349,79.25 58.41,79.25 57.66,78.5 48.721,78.5 47.971,77.75 31.129,77.75 28.5,75.121 28.5,60.22 31.721,57 188.311,57 191.75,53.561 191.75,42.5 F309.1@196.25,38
ACL29: F310.1 R348.1 R610.1 RL310.4 | length 381.3
  Top Layer w0.4: v1(179,91) R610.1@179,92.275 ; F310.1@216.25,38 220.45,38 R348.1@220.5,37.95
  Top Layer w5: F310.1@216.25,38 RL310.4@219,32.85
  Bottom Layer w0.4: 109.25,83 112.25,83 ; 109.25,83 106.857,83 106.107,82.25 102.167,82.25 101.417,81.5 92.478,81.5 91.728,80.75 87.789,80.75 87.039,80 78.099,80 77.349,79.25 73.41,79.25 72.66,78.5 63.721,78.5 62.971,77.75 59.031,77.75 58.281,77 49.342,77 48.592,76.25 31.75,76.25 30,74.5 30,60.842 32.342,58.5 203.811,58.5 211.75,50.561 211.75,42.5 F310.1@216.25,38 ; 112.25,83 115.796,83 116.546,83.75 120.485,83.75 121.235,84.5 130.175,84.5 130.925,85.25 134.864,85.25 135.614,86 144.553,86 145.303,86.75 149.243,86.75 149.993,87.5 158.682,87.5 159.682,88.5 163.621,88.5 164.371,89.25 173.311,89.25 174.061,90 178,90 v1(179,91)
ACN: C101.2 P101.1 P102.3 P104.2 P301.1 P301.2 R323.2 R326.2 R329.2 R332.2 R335.2 R338.2 R341.2 R344.2 R347.2 R350.2 R509.1 R510.1 R511.1 R512.1 R525.1 R526.1 R527.1 R528.1 R537.1 R538.1 R545.1 R546.1 R553.1 R554.1 R559.1 R564.1 R565.1 R605.1 R606.1 R613.1 R614.1 T101.1 VR101.1 | length 609.7
  Top Layer w0.4: P301.2@8.5,34 13.5,39 23.25,39 26.5,42.25 45.75,42.25 ; R559.1@33,92.025 33.975,92.025 v1(34.5,91.5) ; v1(41.5,90.75) R509.1@41.5,92.025 ; R323.2@45.5,41.05 45.5,42 45.75,42.25 ; v1(46.5,90.75) R510.1@46.5,92.025 ; v1(56.5,90.75) R525.1@56.5,92.025 ; v1(61.5,90.75) R526.1@61.5,92.025 ; R326.2@65.5,41.05 65.5,42.25 ; v1(71.5,90.75) R537.1@71.5,92.025 ; v1(76.5,90.75) R538.1@76.5,92.025 ; R329.2@85.5,41.05 85.5,42.25 ; v1(86.5,90.75) R545.1@86.5,92.025 ; v1(91.5,90.75) R546.1@91.5,92.025 ; v1(101.5,90.75) R553.1@101.5,92.025 ; R332.2@105.5,41.05 105.5,42.25 ; v1(106.5,90.75) R554.1@106.5,92.025 ; v1(116.5,90.75) R564.1@116.5,92.025 ; v1(121.5,90.75) R565.1@121.5,92.025 ; R335.2@125.5,41.05 125.5,42.25 ; v1(131.5,90.75) R511.1@131.5,92.025 ; v1(136.5,90.75) R512.1@136.5,92.025 ; R338.2@145.5,41.05 145.5,42.25 ; v1(146.5,90.75) R527.1@146.5,92.025 ; v1(151.5,90.75) R528.1@151.5,92.025 ; v1(161.5,91) R605.1@161.5,92.275 ; R341.2@165.5,41.05 165.5,42.25 ; v1(166.5,91) R606.1@166.5,92.275 ; v1(176.5,91) R613.1@176.5,92.275 ; v1(181.5,91) R614.1@181.5,92.275 ; R344.2@185.5,41.05 185.5,42.25 ; R347.2@205.5,41.05 205.5,42.25 ; R350.2@225.5,41.05 225.5,41.75 225,42.25 205.5,42.25 ; 45.75,42.25 65.5,42.25 ; 65.5,42.25 85.5,42.25 ; 85.5,42.25 105.5,42.25 ; 105.5,42.25 125.5,42.25 ; 125.5,42.25 145.5,42.25 ; 145.5,42.25 165.5,42.25 ; 165.5,42.25 185.5,42.25 ; 185.5,42.25 205.5,42.25
  Bottom Layer w0.4: P101.1@8.5,46 14.25,51.75 14.25,81 25.5,92.25 33.75,92.25 v1(34.5,91.5) 35.25,92.25 41.5,92.25 ; v1(41.5,90.75) 41.5,92.25 ; v1(46.5,90.75) 46.5,92.25 ; v1(56.5,90.75) 56.5,92.25 ; v1(61.5,90.75) 61.5,92.25 ; v1(71.5,90.75) 71.5,92.25 ; v1(76.5,90.75) 76.5,92.25 ; v1(86.5,90.75) 86.5,92.25 ; v1(91.5,90.75) 91.5,92.25 ; v1(101.5,90.75) 101.5,92.25 ; v1(106.5,90.75) 106.5,92.25 ; v1(116.5,90.75) 116.5,92.25 ; v1(121.5,90.75) 121.5,92.25 ; v1(131.5,90.75) 131.5,92.25 ; v1(136.5,90.75) 136.5,92.25 ; v1(146.5,90.75) 146.5,92.25 ; v1(151.5,90.75) 151.5,92.25 ; v1(161.5,91) 161.5,92.25 ; v1(166.5,91) 166.5,92.25 ; v1(176.5,91) 176.5,92.25 ; v1(181.5,91) 180.25,92.25 176.5,92.25 ; 41.5,92.25 46.5,92.25 ; 46.5,92.25 56.5,92.25 ; 56.5,92.25 61.5,92.25 ; 61.5,92.25 71.5,92.25 ; 71.5,92.25 76.5,92.25 ; 76.5,92.25 86.5,92.25 ; 86.5,92.25 91.5,92.25 ; 91.5,92.25 101.5,92.25 ; 101.5,92.25 106.5,92.25 ; 106.5,92.25 116.5,92.25 ; 116.5,92.25 121.5,92.25 ; 121.5,92.25 131.5,92.25 ; 131.5,92.25 136.5,92.25 ; 136.5,92.25 146.5,92.25 ; 146.5,92.25 151.5,92.25 ; 151.5,92.25 161.5,92.25 ; 161.5,92.25 166.5,92.25 ; 166.5,92.25 176.5,92.25
  Bottom Layer w1: P102.3@6,131.04 15.96,131.04 19,128 P104.2@19,122.5 11.25,122.5 3,114.25 T101.1@3,99.5 T101.1@3,98.25 T101.1@3,97 3,93.5 5.875,90.625 5.875,83.875 3,81 3,51.5 P101.1@8.5,46
ADC1_AN11/LM35: R215.2 U201.9 U205.2 | length 22.5
  Top Layer w0.3: R215.2@182,126.65 183.4,126.65 U205.2@184.25,127.5 ; U201.9@185.25,145.75 185.25,141.25 186.75,139.75 v1(186.75,136.5)
  Bottom Layer w0.3: U205.2@184.25,127.5 186.75,130 v1(186.75,136.5)
ADC1_AN12/1V8: R201.2 U201.10 | length 94.9
  Top Layer w0.3: U201.10@185.75,145.75 185.75,141.901 187.65,140.001 187.65,135.751 188.751,134.65 195.35,134.65 197.75,132.25 197.75,115.697 189.75,107.697 189.75,100 v1(191,98.75) ; R201.2@215.25,86.6 v1(215.25,87.75)
  Bottom Layer w0.3: v1(191,98.75) 213.25,98.75 215.25,96.75 v1(215.25,87.75)
BOOT0: R202.1 R203.1 U201.60 | length 13.5
  Top Layer w0.3: R203.1@167.85,148.75 R202.1@167.85,150.5 169,150.5 169.75,149.75 U201.60@179.25,149.75